# Altium PCB Enigma Rev A Back.PcbDoc (continued)
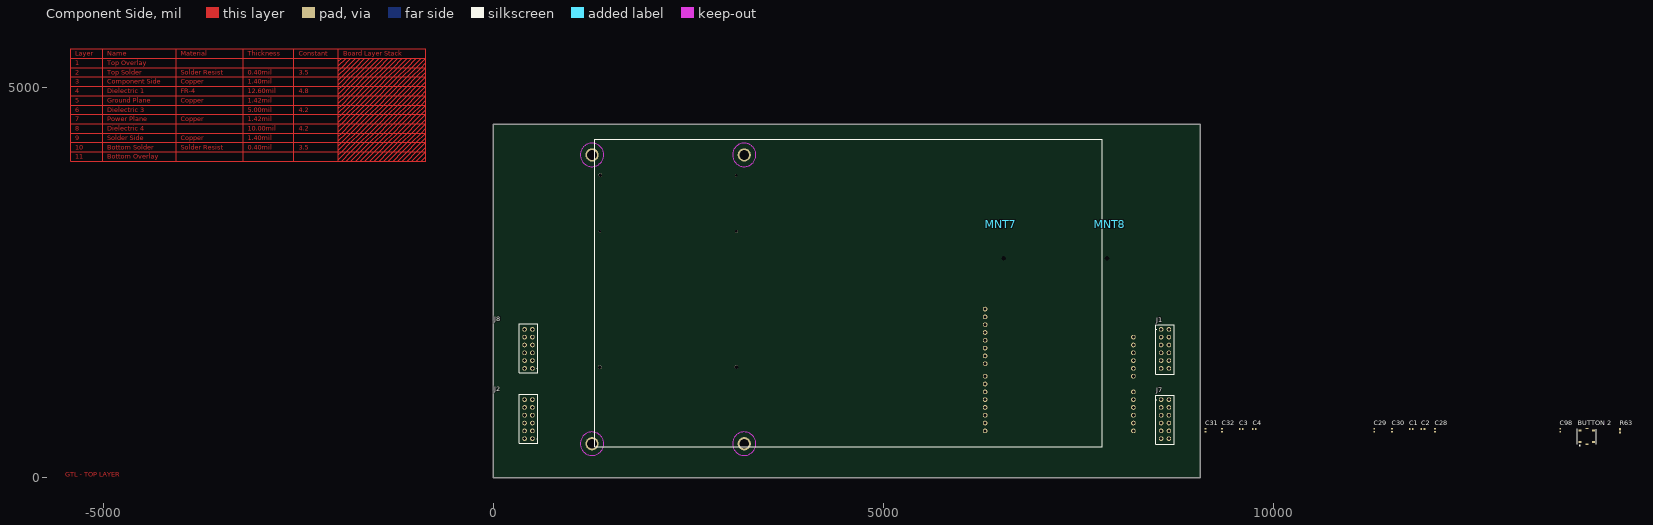
[diagram p0: Component Side view]
## Part data
"BUTTON 2": "SWITCH LT 1.5MM HT 160GF SMD", Contact Rating @ Voltage="0.02A @ 15VDC", Manufacturer="Panasonic - ECG", Manufacturer Part Number=EVQ-PLHA15, Operating Force=160gf, Supplier Part Number 1=P8046SCT-ND, Actuator Type=Standard, Category=Switches, Circuit=SPST-NO, ComponentLink1Description=http://industrial.panasonic.com/www-data/pdf/ATK0000/ATK0000CE3.pdf, ComponentLink1URL=http://industrial.panasonic.com/www-data/pdf/ATK0000/ATK0000CE3.pdf, Illumination=Non-Illuminated, Mounting Type="Surface Mount", Orientation=Vertical, Outline="4.90mm x 4.90mm", Packaging="Cut Tape (CT)", Pricing="1=0.53, 10=0.443, 100=0.3717, 500=0.3186, 1000=0.2655 (USD)", RoHS="RoHS Compliant", Stock 1=86833, Supplier 1=Digi-Key, Switch Function=Off-Mom
C1 C2 C3 C4 C28 C29 C30 C31 C32 C98: library part C_0402_0.1UF_16V, "CAP CER .10UF 16V X7R 0402", Capacitance=0.1µF, Manufacturer="TDK Corporation", Manufacturer Part Number=C1005X7R1C104K, Operating Temperature="-55°C ~ 125°C", Package / Case=0402, Supplier Part Number 1=445-4952-1-ND, Temperature Coefficient=X7R, Tolerance=±10%, Voltage - Rated=16V, Category=Capacitors, ComponentLink1Description=http://www.tdk.co.jp/tefe02/e412_c.pdf, ComponentLink1URL=http://www.tdk.co.jp/tefe02/e412_c.pdf, Features="General Purpose", Lead Spacing=-, Mounting Type="Surface Mount, MLCC", Packaging="Cut Tape (CT)", Pricing="10=0.024, 100=0.0143, 500=0.00826, 1000=0.00572 (USD)", RoHS="RoHS Compliant", Stock 1=230800, Supplier 1=Digi-Key, Thickness=0.50mm
J1 J2 J7 J8: library part J_PMOD, "CONN FEMALE 12POS DL .1\" R/A TIN", Color=Black, Manufacturer=Samtec, Manufacturer Part Number=SSW-106-02-T-D-RA, Category="Connectors, Interconnects", ComponentLink1Description=http://www.sullinscorp.com/drawings/101_xPxCxx2LJBN-RC,_10494-C.pdf, ComponentLink1URL=http://www.sullinscorp.com/drawings/101_xPxCxx2LJBN-RC,_10494-C.pdf, Connector Type=Header, Contact Finish=Tin, Contact Finish Thickness=-, Contact Type="Female Socket", Fastening Type=-, Features=-, Mounting Type="Through Hole, Right Angle", Number of Positions=12, Number of Positions Loaded=All, Number of Rows=2, Pitch="0.100\" (2.54mm)", Pricing=1=0.723, Row Spacing="0.100\" (2.54mm)", Stock 1=890, Supplier 1=Samtec, Supplier Part Number 1=SSW-106-02-T-D-RA, Termination=Solder
J3 J5: "CONN HEADER FEMALE 6POS .1\" TIN", Color=Black, Manufacturer=Samtec, Manufacturer Part Number=SSW-106-01-T-S, Category="Connectors, Interconnects", ComponentLink1Description=http://www.sullinscorp.com/drawings/101_xPxCxxxLFBN-RC,_10492-D.pdf, ComponentLink1URL=http://www.sullinscorp.com/drawings/101_xPxCxxxLFBN-RC,_10492-D.pdf, Connector Type=Header, Contact Finish=Tin, Contact Finish Thickness=-, Contact Type="Female Socket", Mounting Type="Through Hole", Number of Positions=6, Number of Positions Loaded=All, Number of Rows=1, Pitch="0.100\" (2.54mm)", Pricing=0.373, Supplier 1=Samtec, Supplier Part Number 1=SSW-106-01-T-S, Termination=Solder
J4 J6: library part J_HDR1X8_THRHOLE_VERT_FEMALE, "CONN HEADER FEMALE 8POS .1\" TIN", Color=Black, Manufacturer=Samtec, Manufacturer Part Number=SSW-108-01-T-S, Category="Connectors, Interconnects", ComponentLink1Description=http://www.sullinscorp.com/drawings/101_xPxCxxxLFBN-RC,_10492-D.pdf, ComponentLink1URL=http://www.sullinscorp.com/drawings/101_xPxCxxxLFBN-RC,_10492-D.pdf, Connector Type=Header, Contact Finish=Tin, Contact Finish Thickness=-, Contact Type="Female Socket", Fastening Type=-, Features=-, Mounting Type="Through Hole", Number of Positions=8, Number of Positions Loaded=All, Number of Rows=1, Pitch="0.100\" (2.54mm)", Pricing=1=0.497, RoHS="RoHS Compliant", Supplier 1=Samtec, Supplier Part Number 1=SSW-108-01-T-S, Termination=Solder
J9: "CONN HDR 120POS 0.5MM SMD", Manufacturer="Samtec Inc", Manufacturer Part Number=ERM5-060-04.0-L-DV-TR, Number of Positions=120, Pitch="0.020\" (0.50mm)"
MNT7 MNT8: library part MNT_440_HOLE
R63: "RES 10.0K OHM 1/16W 1% 0402 SMD", Case=0402, Manufacturer="Stackpole Electronics Inc", Manufacturer Part Number=RMCF0402FT10K0, Package / Case="0402 (1005 Metric)", Power (Watts)=1/16W, Resistance (Ohms)=10k, Resistance In Ohms=10.0K, Supplier Part Number 1=RMCF0402FT10K0CT-ND, Temperature Coefficient=±100ppm/°C, Tolerance=±1%, Category=Resistors, ComponentLink1Description=http://www.seielect.com/Catalog/SEI-RMCF_RMCP.pdf, ComponentLink1URL=http://www.seielect.com/Catalog/SEI-RMCF_RMCP.pdf, Composition="Thick Film", Features=-, Height="0.016\" (0.40mm)", Number of Terminations=2, Packaging="Cut Tape (CT)", Pricing="1=0.04, 10=0.025, 50=0.0138, 100=0.0105, 250=0.0078, 500=0.00576, 1000=0.00384, 2500=0.00324, 5000=0.0027 (USD)", RoHS="RoHS Compliant", Size / Dimension="0.039\" L x 0.020\" W (1.00mm x 0.50mm)", Stock 1=234525, Supplier 1=Digi-Key
SOM1: library part PicoZed_SOM, "PicoZed SOM Carrier Footprint"

## Nets (pads, with @x,y where several pads share a name; then routed paths per layer and width w, separated by ;. In a path a pad name is that pad's centre, name@x,y a point inside that pad or via, vN(x,y) a via of type N, cw(c..) or ccw(c..) an arc to the next point about the centre after c; other vN are vias at no path point)
CFG_SCL: J9.14
CFG_SDA: J9.16
CLK0_ESIG0_N: J9.23
CLK0_ESIG0_P: J9.21
CLK1_ESIG16_N: J9.71
CLK1_ESIG16_P: J9.69
ESIG1_N: J9.24
ESIG1_P: J9.22
ESIG2_N: J9.29
ESIG2_P: J9.27
ESIG3_N: J9.30
ESIG3_P: J9.28
ESIG4_N: J9.35
ESIG4_P: J9.33
ESIG5_N: J9.36
ESIG5_P: J9.34
ESIG6_N: J9.41
ESIG6_P: J9.39
ESIG7_N: J9.42
ESIG7_P: J9.40
ESIG8_N: J9.47
ESIG8_P: J9.45
ESIG9_N: J9.48
ESIG9_P: J9.46
ESIG10_N: J9.53
ESIG10_P: J9.51
ESIG11_N: J9.54
ESIG11_P: J9.52
ESIG12_N: J9.59
ESIG12_P: J9.57
ESIG13_N: J9.60
ESIG13_P: J9.58
ESIG14_N: J9.65
ESIG14_P: J9.63
ESIG15_N: J9.66
ESIG15_P: J9.64
ESIG17_N: J9.72
ESIG17_P: J9.70
ESIG18_N: J9.77
ESIG18_P: J9.75
ESIG19_N: J9.78
ESIG19_P: J9.76
ESIG20_N: J9.83
ESIG20_P: J9.81
ESIG21_N: J9.84
ESIG21_P: J9.82
ESIG22_N: J9.89
ESIG22_P: J9.87
ESIG23_N: J9.90
ESIG23_P: J9.88
ESIG24_N: J9.95
ESIG24_P: J9.93
ESIG25_N: J9.96
ESIG25_P: J9.94
EXT_SERDES_CLK0_N: J9.117
EXT_SERDES_CLK0_P: J9.115
EXT_SERDES_CLK1_N: J9.118
EXT_SERDES_CLK1_P: J9.116
EXT_SERDES_RX0_N: J9.111
EXT_SERDES_RX0_P: J9.109
EXT_SERDES_RX1_N: J9.112
EXT_SERDES_RX1_P: J9.110
EXT_SERDES_TX0_N: J9.105
EXT_SERDES_TX0_P: J9.103
EXT_SERDES_TX1_N: J9.106
EXT_SERDES_TX1_P: J9.104
GND: "BUTTON 2.3" "BUTTON 2.4" "BUTTON 2.5" "BUTTON 2.6" C1.1 C2.1 C3.1 C4.1 C28.1 C29.1 C30.1 C31.1 C32.1 C98.1 J1.5 J1.11 J2.5 J2.11 J3.2 J3.3 J4.7 J7.5 J7.11 J8.5 J8.11 J9.2 J9.4 J9.6 J9.8 J9.10 J9.12 J9.19 J9.20 J9.25 J9.26 J9.31 J9.32 J9.37 J9.38 J9.43 J9.44 J9.49 J9.50 J9.55 J9.56 J9.61 J9.62 J9.67 J9.68 J9.73 J9.74 J9.79 J9.80 J9.85 J9.86 J9.91 J9.92 J9.97 J9.98 J9.99 J9.100 J9.101 J9.102 J9.107 J9.108 J9.113 J9.114 J9.119 J9.120
NetJ9_17: J9.17
PMODA1: J1.1
PMODA2: J1.2
PMODA3: J1.3
PMODA4: J1.4
PMODA7: J1.7
PMODA8: J1.8
PMODA9: J1.9
PMODA10: J1.10
PMODB1: J7.1
PMODB2: J7.2
PMODB3: J7.3
PMODB4: J7.4
PMODB7: J7.7
PMODB8: J7.8
PMODB9: J7.9
PMODB10: J7.10
PMODC1: J2.1
PMODC2: J2.2
PMODC3: J2.3
PMODC4: J2.4
PMODC7: J2.7
PMODC8: J2.8
PMODC9: J2.9
PMODC10: J2.10
PMODD1: J8.1
PMODD2: J8.2
PMODD3: J8.3
PMODD4: J8.4
PMODD7: J8.7
PMODD8: J8.8
PMODD9: J8.9
PMODD10: J8.10
S0: J6.1
S1: J6.2
S2: J6.3
S3: J6.4
S4: J6.5
S5: J6.6
S6: J6.7
S7: J6.8
S8: J4.1
S9: J4.2
S10: J4.3
S11: J4.4
S12: J4.5
S13: J4.6
S14: J5.1
S15: J5.2
S16: J5.3
S17: J5.4
S18: J5.5
S19: J5.6
SOFT_RST: "BUTTON 2.1" C98.2 J3.6 R63.1
V3P3: C1.2 C2.2 C3.2 C4.2 C28.2 C29.2 C30.2 C31.2 C32.2 J1.6 J1.12 J2.6 J2.12 J3.5 J4.8 J7.6 J7.12 J8.6 J8.12 J9.18 R63.2
V5P0: J3.4 J9.1 J9.3 J9.5 J9.7
VEBANK: J9.9 J9.11 J9.13 J9.15
pads on no net: "BUTTON 2.2" J3.1 J9.M MNT7.MOUNT MNT8.MOUNT SOM1.0 SOM1.JX1-1 SOM1.JX1-2 SOM1.JX1-3 SOM1.JX1-4 SOM1.JX1-5 SOM1.JX1-6 SOM1.JX1-7 SOM1.JX1-8 SOM1.JX1-9 SOM1.JX1-10 SOM1.JX1-11 SOM1.JX1-12 SOM1.JX1-13 SOM1.JX1-14 SOM1.JX1-15 SOM1.JX1-16 SOM1.JX1-17 SOM1.JX1-18 SOM1.JX1-19 SOM1.JX1-20 SOM1.JX1-21 SOM1.JX1-22 SOM1.JX1-23 SOM1.JX1-24 SOM1.JX1-25 SOM1.JX1-26 SOM1.JX1-27 SOM1.JX1-28 SOM1.JX1-29 SOM1.JX1-30 SOM1.JX1-31 SOM1.JX1-32 SOM1.JX1-33 SOM1.JX1-34 SOM1.JX1-35 SOM1.JX1-36 SOM1.JX1-37 SOM1.JX1-38 SOM1.JX1-39 SOM1.JX1-40 SOM1.JX1-41 SOM1.JX1-42 SOM1.JX1-43 SOM1.JX1-44 SOM1.JX1-45 SOM1.JX1-46 SOM1.JX1-47 SOM1.JX1-48 SOM1.JX1-49 SOM1.JX1-50 SOM1.JX1-51 SOM1.JX1-52 SOM1.JX1-53 SOM1.JX1-54 SOM1.JX1-55 SOM1.JX1-56 SOM1.JX1-57 SOM1.JX1-58 SOM1.JX1-59 SOM1.JX1-60 SOM1.JX1-61 SOM1.JX1-62 SOM1.JX1-63 SOM1.JX1-64 SOM1.JX1-65 SOM1.JX1-66 SOM1.JX1-67 SOM1.JX1-68 SOM1.JX1-69 SOM1.JX1-70 SOM1.JX1-71 SOM1.JX1-72 SOM1.JX1-73 SOM1.JX1-74 SOM1.JX1-75 SOM1.JX1-76 SOM1.JX1-77 SOM1.JX1-78 SOM1.JX1-79 SOM1.JX1-80 SOM1.JX1-81 SOM1.JX1-82 SOM1.JX1-83 SOM1.JX1-84 SOM1.JX1-85 SOM1.JX1-86 SOM1.JX1-87 SOM1.JX1-88 SOM1.JX1-89 SOM1.JX1-90 SOM1.JX1-91 SOM1.JX1-92 SOM1.JX1-93 SOM1.JX1-94 SOM1.JX1-95 SOM1.JX1-96 SOM1.JX1-97 SOM1.JX1-98 SOM1.JX1-99 SOM1.JX1-100 SOM1.JX2-1 SOM1.JX2-2 SOM1.JX2-3 SOM1.JX2-4 SOM1.JX2-5 SOM1.JX2-6 SOM1.JX2-7 SOM1.JX2-8 SOM1.JX2-9 SOM1.JX2-10 SOM1.JX2-11 SOM1.JX2-12 SOM1.JX2-13 SOM1.JX2-14 SOM1.JX2-15 SOM1.JX2-16 SOM1.JX2-17 SOM1.JX2-18 SOM1.JX2-19 SOM1.JX2-20 SOM1.JX2-21 SOM1.JX2-22 SOM1.JX2-23 SOM1.JX2-24 SOM1.JX2-25 SOM1.JX2-26 SOM1.JX2-27 SOM1.JX2-28 SOM1.JX2-29 SOM1.JX2-30 SOM1.JX2-31 SOM1.JX2-32 SOM1.JX2-33 SOM1.JX2-34 SOM1.JX2-35 SOM1.JX2-36 SOM1.JX2-37 SOM1.JX2-38 SOM1.JX2-39 SOM1.JX2-40 SOM1.JX2-41 SOM1.JX2-42 SOM1.JX2-43 SOM1.JX2-44 SOM1.JX2-45 SOM1.JX2-46 SOM1.JX2-47 SOM1.JX2-48 SOM1.JX2-49 SOM1.JX2-50 SOM1.JX2-51 SOM1.JX2-52 SOM1.JX2-53 SOM1.JX2-54 SOM1.JX2-55 SOM1.JX2-56 SOM1.JX2-57 SOM1.JX2-58 SOM1.JX2-59 SOM1.JX2-60 SOM1.JX2-61 SOM1.JX2-62 SOM1.JX2-63 SOM1.JX2-64 SOM1.JX2-65 SOM1.JX2-66 SOM1.JX2-67 SOM1.JX2-68 SOM1.JX2-69 SOM1.JX2-70 SOM1.JX2-71 SOM1.JX2-72 SOM1.JX2-73 SOM1.JX2-74 SOM1.JX2-75 SOM1.JX2-76 SOM1.JX2-77 SOM1.JX2-78 SOM1.JX2-79 SOM1.JX2-80 SOM1.JX2-81 SOM1.JX2-82 SOM1.JX2-83 SOM1.JX2-84 SOM1.JX2-85 SOM1.JX2-86 SOM1.JX2-87 SOM1.JX2-88 SOM1.JX2-89 SOM1.JX2-90 SOM1.JX2-91 SOM1.JX2-92 SOM1.JX2-93 SOM1.JX2-94 SOM1.JX2-95 SOM1.JX2-96 SOM1.JX2-97 SOM1.JX2-98 SOM1.JX2-99 SOM1.JX2-100 SOM1.JX3-1 SOM1.JX3-2 SOM1.JX3-3 SOM1.JX3-4 SOM1.JX3-5 SOM1.JX3-6 SOM1.JX3-7 SOM1.JX3-8 SOM1.JX3-9 SOM1.JX3-10 SOM1.JX3-11 SOM1.JX3-12 SOM1.JX3-13 SOM1.JX3-14 SOM1.JX3-15 SOM1.JX3-16 SOM1.JX3-17 SOM1.JX3-18 SOM1.JX3-19 SOM1.JX3-20 SOM1.JX3-21 SOM1.JX3-22 SOM1.JX3-23 SOM1.JX3-24 SOM1.JX3-25 SOM1.JX3-26 SOM1.JX3-27 SOM1.JX3-28 SOM1.JX3-29 SOM1.JX3-30 SOM1.JX3-31 SOM1.JX3-32 SOM1.JX3-33 SOM1.JX3-34 SOM1.JX3-35 SOM1.JX3-36 SOM1.JX3-37 SOM1.JX3-38 SOM1.JX3-39 SOM1.JX3-40 SOM1.JX3-41 SOM1.JX3-42 SOM1.JX3-43 SOM1.JX3-44 SOM1.JX3-45 SOM1.JX3-46 SOM1.JX3-47 SOM1.JX3-48 SOM1.JX3-49 SOM1.JX3-50 SOM1.JX3-51 SOM1.JX3-52 SOM1.JX3-53 SOM1.JX3-54 SOM1.JX3-55 SOM1.JX3-56 SOM1.JX3-57 SOM1.JX3-58 SOM1.JX3-59 SOM1.JX3-60 SOM1.JX3-61 SOM1.JX3-62 SOM1.JX3-63 SOM1.JX3-64 SOM1.JX3-65 SOM1.JX3-66 SOM1.JX3-67 SOM1.JX3-68 SOM1.JX3-69 SOM1.JX3-70 SOM1.JX3-71 SOM1.JX3-72 SOM1.JX3-73 SOM1.JX3-74 SOM1.JX3-75 SOM1.JX3-76 SOM1.JX3-77 SOM1.JX3-78 SOM1.JX3-79 SOM1.JX3-80 SOM1.JX3-81 SOM1.JX3-82 SOM1.JX3-83 SOM1.JX3-84 SOM1.JX3-85 SOM1.JX3-86 SOM1.JX3-87 SOM1.JX3-88 SOM1.JX3-89 SOM1.JX3-90 SOM1.JX3-91 SOM1.JX3-92 SOM1.JX3-93 SOM1.JX3-94 SOM1.JX3-95 SOM1.JX3-96 SOM1.JX3-97 SOM1.JX3-98 SOM1.JX3-99 SOM1.JX3-100
copper on no net: | length 104050.8
  Component Side w1: -1985,4075 -1885.32,4174.68 -1765.32,4294.68 -1645.32,4414.68 -1525.32,4534.68 -1405.32,4654.68 -1285.32,4774.68 -1165.32,4894.68 -1045.32,5014.68 -925.32,5134.68 -865.32,5194.68 ; -1985,4135 -1945.32,4174.68 -1825.32,4294.68 -1705.32,4414.68 -1585.32,4534.68 -1465.32,4654.68 -1345.32,4774.68 -1225.32,4894.68 -1105.32,5014.68 -985.32,5134.68 -865.32,5254.68 ; -1985,4195 -1885.32,4294.68 -1765.32,4414.68 -1645.32,4534.68 -1525.32,4654.68 -1405.32,4774.68 -1285.32,4894.68 -1165.32,5014.68 -1045.32,5134.68 -925.32,5254.68 -865.32,5314.68 ; -1985,4255 -1945.32,4294.68 -1825.32,4414.68 -1705.32,4534.68 -1585.32,4654.68 -1465.32,4774.68 -1345.32,4894.68 -1225.32,5014.68 -1105.32,5134.68 -985.32,5254.68 -865.32,5374.68 ; -1985,4315 -1885.32,4414.68 -1765.32,4534.68 -1645.32,4654.68 -1525.32,4774.68 -1405.32,4894.68 -1285.32,5014.68 -1165.32,5134.68 -1045.32,5254.68 -925.32,5374.68 ; -1985,4375 -1945.32,4414.68 -1825.32,4534.68 -1705.32,4654.68 -1585.32,4774.68 -1465.32,4894.68 -1345.32,5014.68 -1225.32,5134.68 -1105.32,5254.68 -985.32,5374.68 ; -1985,4435 -1885.32,4534.68 -1765.32,4654.68 -1645.32,4774.68 -1525.32,4894.68 -1405.32,5014.68 -1285.32,5134.68 -1165.32,5254.68 -1045.32,5374.68 ; -1985,4495 -1945.32,4534.68 -1825.32,4654.68 -1705.32,4774.68 -1585.32,4894.68 -1465.32,5014.68 -1345.32,5134.68 -1225.32,5254.68 -1105.32,5374.68 ; -1985,4555 -1885.32,4654.68 -1765.32,4774.68 -1645.32,4894.68 -1525.32,5014.68 -1405.32,5134.68 -1285.32,5254.68 -1165.32,5374.68 ; -1985,4615 -1945.32,4654.68 -1825.32,4774.68 -1705.32,4894.68 -1585.32,5014.68 -1465.32,5134.68 -1345.32,5254.68 -1225.32,5374.68 ; -1985,4675 -1885.32,4774.68 -1765.32,4894.68 -1645.32,5014.68 -1525.32,5134.68 -1405.32,5254.68 -1285.32,5374.68 ; -1985,4735 -1945.32,4774.68 -1825.32,4894.68 -1705.32,5014.68 -1585.32,5134.68 -1465.32,5254.68 -1345.32,5374.68 ; -1985,4795 -1885.32,4894.68 -1765.32,5014.68 -1645.32,5134.68 -1525.32,5254.68 -1405.32,5374.68 ; -1985,4855 -1945.32,4894.68 -1825.32,5014.68 -1705.32,5134.68 -1585.32,5254.68 -1465.32,5374.68 ; -1985,4915 -1885.32,5014.68 -1765.32,5134.68 -1645.32,5254.68 -1525.32,5374.68 ; -1985,4975 -1945.32,5014.68 -1825.32,5134.68 -1705.32,5254.68 -1585.32,5374.68 ; -1985,5035 -1885.32,5134.68 -1765.32,5254.68 -1645.32,5374.68 ; -1985,5095 -1945.32,5134.68 -1825.32,5254.68 -1705.32,5374.68 ; -1985,5155 -1885.32,5254.68 -1765.32,5374.68 ; -1985,5215 -1945.32,5254.68 -1825.32,5374.68 ; -1985,5275 -1885.32,5374.68 ; -1985,5335 -1945.32,5374.68 ; -1945.32,4054.68 -1825.32,4174.68 -1705.32,4294.68 -1585.32,4414.68 -1465.32,4534.68 -1345.32,4654.68 -1225.32,4774.68 -1105.32,4894.68 -985.32,5014.68 -865.32,5134.68 ; -1885.32,4054.68 -1765.32,4174.68 -1645.32,4294.68 -1525.32,4414.68 -1405.32,4534.68 -1285.32,4654.68 -1165.32,4774.68 -1045.32,4894.68 -925.32,5014.68 -865.32,5074.68 ; -1825.32,4054.68 -1705.32,4174.68 -1585.32,4294.68 -1465.32,4414.68 -1345.32,4534.68 -1225.32,4654.68 -1105.32,4774.68 -985.32,4894.68 -865.32,5014.68 ; -1765.32,4054.68 -1645.32,4174.68 -1525.32,4294.68 -1405.32,4414.68 -1285.32,4534.68 -1165.32,4654.68 -1045.32,4774.68 -925.32,4894.68 -865.32,4954.68 ; -1705.32,4054.68 -1585.32,4174.68 -1465.32,4294.68 -1345.32,4414.68 -1225.32,4534.68 -1105.32,4654.68 -985.32,4774.68 -865.32,4894.68 ; -1645.32,4054.68 -1525.32,4174.68 -1405.32,4294.68 -1285.32,4414.68 -1165.32,4534.68 -1045.32,4654.68 -925.32,4774.68 -865.32,4834.68 ; -1585.32,4054.68 -1465.32,4174.68 -1345.32,4294.68 -1225.32,4414.68 -1105.32,4534.68 -985.32,4654.68 -865.32,4774.68 ; -1525.32,4054.68 -1405.32,4174.68 -1285.32,4294.68 -1165.32,4414.68 -1045.32,4534.68 -925.32,4654.68 -865.32,4714.68 ; -1465.32,4054.68 -1345.32,4174.68 -1225.32,4294.68 -1105.32,4414.68 -985.32,4534.68 -865.32,4654.68 ; -1405.32,4054.68 -1285.32,4174.68 -1165.32,4294.68 -1045.32,4414.68 -925.32,4534.68 -865.32,4594.68 ; -1345.32,4054.68 -1225.32,4174.68 -1105.32,4294.68 -985.32,4414.68 -865.32,4534.68 ; -1285.32,4054.68 -1165.32,4174.68 -1045.32,4294.68 -925.32,4414.68 -865.32,4474.68 ; -1225.32,4054.68 -1105.32,4174.68 -985.32,4294.68 -865.32,4414.68 ; -1165.32,4054.68 -1045.32,4174.68 -925.32,4294.68 -865.32,4354.68 ; -1105.32,4054.68 -985.32,4174.68 -865.32,4294.68 ; -1045.32,4054.68 -925.32,4174.68 -865.32,4234.68 ; -985.32,4054.68 -865.32,4174.68 ; -925.32,4054.68 -865.32,4114.68
  Component Side w15: -5414.12,4174.68 -5004.2,4174.68 -4064.46,4174.68 -3204.7,4174.68 -2554.86,4174.68 -1985,4174.68 -865.32,4174.68 ; -5414.12,4294.68 -5004.2,4294.68 -4064.46,4294.68 -3204.7,4294.68 -2554.86,4294.68 -1985,4294.68 -865.32,4294.68 ; -5414.12,4414.68 -5004.2,4414.68 -4064.46,4414.68 -3204.7,4414.68 -2554.86,4414.68 -1985,4414.68 -865.32,4414.68 ; -5414.12,4534.68 -5004.2,4534.68 -4064.46,4534.68 -3204.7,4534.68 -2554.86,4534.68 -1985,4534.68 -865.32,4534.68 ; -5414.12,4654.68 -5004.2,4654.68 -4064.46,4654.68 -3204.7,4654.68 -2554.86,4654.68 -1985,4654.68 -865.32,4654.68 ; -5414.12,4774.68 -5004.2,4774.68 -4064.46,4774.68 -3204.7,4774.68 -2554.86,4774.68 -1985,4774.68 -865.32,4774.68 ; -5414.12,4894.68 -5004.2,4894.68 -4064.46,4894.68 -3204.7,4894.68 -2554.86,4894.68 -1985,4894.68 -865.32,4894.68 ; -5414.12,5014.68 -5004.2,5014.68 -4064.46,5014.68 -3204.7,5014.68 -2554.86,5014.68 -1985,5014.68 -865.32,5014.68 ; -5414.12,5134.68 -5004.2,5134.68 -4064.46,5134.68 -3204.7,5134.68 -2554.86,5134.68 -1985,5134.68 -865.32,5134.68 ; -5414.12,5254.68 -5004.2,5254.68 -4064.46,5254.68 -3204.7,5254.68 -2554.86,5254.68 -1985,5254.68 -865.32,5254.68 ; -5414.12,5374.68 -865.32,5374.68 ; -5004.2,5494.68 -5004.2,4054.68 ; -4064.46,5494.68 -4064.46,4054.68 ; -3204.7,5494.68 -3204.7,4054.68 ; -2554.86,5494.68 -2554.86,4054.68 ; -1985,5494.68 -1985,4054.68 ; -5004.2,4054.68 -5414.12,4054.68 -5414.12,5494.68 -865.32,5494.68 -865.32,4054.68 -1985,4054.68 ; -5004.2,4054.68 -4064.46,4054.68 ; -4064.46,4054.68 -3204.7,4054.68 ; -3204.7,4054.68 -2554.86,4054.68 ; -2554.86,4054.68 -1985,4054.68

## Polygon pours and split planes (outlines as drawn)
no net on Ground Plane (split plane): 9035.02,4507.46 9035.02,20.1 20.1,20.1 20.1,4507.46
no net on Power Plane (split plane): 9035.02,4507.46 9035.02,20.1 20.1,20.1 20.1,4507.46

## Other copper
Component Side:
  text "Layer" at -5354.12,5404.68 h60
  text "Name" at -4944.2,5404.68 h60
  text "Material" at -4004.46,5404.68 h60
  text "Thickness" at -3144.7,5404.68 h60
  text "Constant" at -2494.86,5404.68 h60
  text "Board Layer Stack" at -1925,5404.68 h60
  text "1" at -5354.12,5284.68 h60
  text "Top Overlay" at -4944.2,5284.68 h60
  text "2" at -5354.12,5164.68 h60
  text "Top Solder" at -4944.2,5164.68 h60
  text "Solder Resist" at -4004.46,5164.68 h60
  text "0.40mil" at -3144.7,5164.68 h60
  text "3.5" at -2494.86,5164.68 h60
  text "3" at -5354.12,5044.68 h60
  text "Component Side" at -4944.2,5044.68 h60
  text "Copper" at -4004.46,5044.68 h60
  text "1.40mil" at -3144.7,5044.68 h60
  text "4" at -5354.12,4924.68 h60
  text "Dielectric 1" at -4944.2,4924.68 h60
  text "FR-4" at -4004.46,4924.68 h60
  text "12.60mil" at -3144.7,4924.68 h60
  text "4.8" at -2494.86,4924.68 h60
  text "5" at -5354.12,4804.68 h60
  text "Ground Plane" at -4944.2,4804.68 h60
  text "Copper" at -4004.46,4804.68 h60
  text "1.42mil" at -3144.7,4804.68 h60
  text "6" at -5354.12,4684.68 h60
  text "Dielectric 3" at -4944.2,4684.68 h60
  text "5.00mil" at -3144.7,4684.68 h60
  text "4.2" at -2494.86,4684.68 h60
  text "7" at -5354.12,4564.68 h60
  text "Power Plane" at -4944.2,4564.68 h60
  text "Copper" at -4004.46,4564.68 h60
  text "1.42mil" at -3144.7,4564.68 h60
  text "8" at -5354.12,4444.68 h60
  text "Dielectric 4" at -4944.2,4444.68 h60
  text "10.00mil" at -3144.7,4444.68 h60
  text "4.2" at -2494.86,4444.68 h60
  text "9" at -5354.12,4324.68 h60
  text "Solder Side" at -4944.2,4324.68 h60
  text "Copper" at -4004.46,4324.68 h60
  text "1.40mil" at -3144.7,4324.68 h60
  text "10" at -5354.12,4204.68 h60
  text "Bottom Solder" at -4944.2,4204.68 h60
  text "Solder Resist" at -4004.46,4204.68 h60
  text "0.40mil" at -3144.7,4204.68 h60
  text "3.5" at -2494.86,4204.68 h60
  text "11" at -5354.12,4084.68 h60
  text "Bottom Overlay" at -4944.2,4084.68 h60
  text "GTL - TOP LAYER" at -5484.25,10.23 h60
Solder Side:
  text "GBL - BOTTOM LAYER" at -5484.25,-796.85 h60
Ground Plane (plane layer: these items are gaps in the copper):
  text "GP1 - GROUND PLANE 1" at -5470,-281 h60
Power Plane (plane layer: these items are gaps in the copper):
  text "GP2 - POWER PLANE 1" at -5484.25,-383.47 h60
Multi-Layer:
  text "MULTI-LAYER HOLES" at -2781,-1589 h60

## Silkscreen, mask and mechanical layers (free items; w line width, h text height)
Top Overlay:
  lines w10: 1299.21,393.7 1299.21,4338.58 7803.15,4338.58 7803.15,393.7 1299.21,393.7
Mechanical 2:
  circle w6: c-4500,6500 r300
  circle w6: c-4500,6500 r200
  circle w6: c-4500,6500 r100
  circle w6: c11000,7000 r300
  circle w6: c11000,7000 r200
  circle w6: c11000,7000 r100
  circle w6: c11000,0 r300
  circle w6: c11000,0 r200
  circle w6: c11000,0 r100
  lines w4: -5000,6500 -4500,6500 ; -4500,6000 -4500,6500 ; -4500,7000 -4500,6500 ; -4000,6500 -4500,6500 ; 10500,0 11000,0 ; 10500,7000 11000,7000 ; 11000,-500 11000,0 ; 11000,500 11000,0 ; 11000,6500 11000,7000 ; 11000,7500 11000,7000 ; 11500,0 11000,0 ; 11500,7000 11000,7000
  text "02 PCB BOUNDRY" at -2781,110 h60
Mechanical 3:
  text "03" at -2781,10 h60
Mechanical 4:
  text "04" at -2781,-90 h60
Mechanical 5:
  text "05" at -2781,-190 h60
Mechanical 6:
  lines w20: -5550.12,2417.09 -1819.8,2417.09
  text "FAB NOTES: UNLESS OTHERWISE SPECIFIED" at -5550.12,2446.61 h60
  text "1) MATERIAL: GLASS EPOXY FR-4, UL 94V-0" at -5552.96,2305.27 h60
  text "2) FINISH - ENIG" at -5552.96,2165.79 h60
  text "3) HOLE DIAMETERS APPLY AFTER PLATING" at -5552,2046.3 h60
  text "4) SILKSREEN: WHITE EPOXY - BOTH SIDES" at -5542.96,1926.8 h60
  text "5) LAYER TO LAYER REGISTRATION: TO BE WITHIN +/- 0.003" at -5542.96,1807.31 h60
  text "6) ALL HOLES TO BE LOCATED WITHIN +/- 0.003 TRUE POSITION" at -5542.96,1687.82 h60
  text "7) TOLERANCES: .XX = +/- 0.02, .XXX = +/- 0.005" at -5542.96,1588.32 h60
  text "8) ALL DIMENSIONS IN INCHES" at -5542.96,1448.84 h60
  text "9) MIN TRACE WIDTH: 6MIL" at -5542.96,1329.35 h60
  text "10) MIN CLEARANCE: 6MIL" at -5542.96,1209.86 h60
  text "11) PLATE EDGE CONNECTORS PER IPC-6012 LATEST REVISION" at -5542.96,1090.36 h60
  text "12) OVERALL BOARD HEIGHT: 62MILS" at -5542.96,970.87 h60
  text "15.) 20MIL PULLBACK ON INNER PLANES" at -5542.96,851.38 h60
  text "06 FABRICATION NOTES" at -2781,-290 h60
Mechanical 8:
  text "08" at -2781,-490 h60
Mechanical 9:
  text "09" at -2781,-590 h60
Mechanical 10:
  text "10" at -2781,-690 h60
Mechanical 11:
  text "11 DESIGN INFORMATION" at -2781,-790 h60
Mechanical 14:
  text "14" at -2781,-1090 h60
Mechanical 16:
  lines w2: -6000,500 -5700,500 ; -6000,3000 -5700,3000 ; -6000,5500 -5700,5500 ; -3350,-2000 -3350,-1700 ; -3350,7700 -3350,8000 ; -675,-2000 -675,-1700 ; -675,7700 -675,8000 ; 2000,-2000 2000,-1700 ; 2000,7700 2000,8000 ; 4500,-1700 4500,-1250 4850,-1250 ; 4675,-2000 4675,-1700 ; 4675,7700 4675,8000 ; 4850,-1700 4850,-550 5750,-550 ; 4850,-1450 9700,-1450 ; 4850,-1150 9700,-1150 ; 4850,-850 5750,-850 ; 5750,-1700 5750,-550 ; 7325,-2000 7325,-1700 ; 7750,-1450 7750,-1150 ; 8800,-1450 8800,-1150 ; 9700,-550 5750,-550 ; 9700,500 10000,500 ; 9700,5500 10000,5500 ; -6000,-2000 10000,-2000 10000,8000 -6000,8000 -6000,-2000 ; -5700,-1700 9700,-1700 9700,7700 -5700,7700 -5700,-1700
  text "1" at -4725,7800 h90
  text "2" at -2050,7800 h90
  text "3" at 650,7800 h90
  text "4" at 3300,7800 h90
  text "5" at 5980,7800 h90
  text "D" at 9825,6750 h90
  text "D" at -5870,6725 h90
  text "C" at -5875,4225 h90
  text "B" at 9825,1750 h90
  text "B" at -5875,1725 h90
  text ".DrawnBy" at 4925,-675 h90
  text ".Company" at 5811.22,-684.37 h90
  text "A" at 9825,-750 h90
  text "A" at -5870,-825 h90
  text ".Engineer" at 4925,-975 h90
  text ".Project" at 5825,-1270 h90
  text ".Print_Date" at 7860,-1270 h90
  text ".Print_Date" at 4925,-1275 h90
  text ".Revision" at 8845,-1275 h90
  text "16 SHEET" at -2781,-1290 h60
  text "B" at 4610,-1505 h180
  text "1:1" at 4930,-1575 h90
  text ".Pcb_File_Name_No_Path" at 5820,-1575 h90
  text "1" at 9380.91,-1620.08 h90
  text "of" at 9225,-1625 h90
  text "Sheet" at 8525,-1630 h90
  text "1" at 8911.42,-1629.92 h90
  text "Size" at 4550,-1650 h90
  text "1" at -4725,-1900 h90
  text "2" at -2050,-1900 h90
  text "3" at 650,-1900 h90
  text "4" at 3300,-1900 h90
  text "5" at 5975,-1900 h90
  text "6" at 8650,-1900 h90
Drill Drawing:
  circle w10: c3487.25,6468.33 r33.33
  lines w10: 3453.92,6001.67 3470.58,6001.67 3487.25,5985 3503.92,6001.67 3520.58,6001.67 3503.92,6018.33 3520.58,6035 3503.92,6035 3487.25,6051.67 3470.58,6035 3453.92,6035 3470.58,6018.33 3453.92,6001.67 ; 3453.92,6201.67 3520.58,6201.67 3487.25,6135 3453.92,6201.67 ; 3453.92,6285 3520.58,6285 3520.58,6351.67 3453.92,6351.67 3453.92,6285 ; 3453.92,6601.67 3470.58,6601.67 3470.58,6585 3503.92,6585 3503.92,6601.67 3520.58,6601.67 3520.58,6635 3503.92,6635 3503.92,6651.67 3470.58,6651.67 3470.58,6635 3453.92,6635 3453.92,6601.67 ; 3453.92,6735 3487.25,6751.67 3520.58,6735 3503.92,6768.33 3520.58,6801.67 3487.25,6785 3453.92,6801.67 3470.58,6768.33 3453.92,6735
  lines w15: 3394.12,5940 7273.1,5940 ; 3394.12,6840 7273.1,6840 ; 3945,5790 3945,6990 ; 4642.81,5790 4642.81,6990 ; 5988.42,5790 5988.42,6990 ; 6494.29,5790 6494.29,6990 ; 3394.12,5790 7273.1,5790 7273.1,6990 3394.12,6990 3394.12,5790
  text "Symbol" at 3484.12,6885 h72
  text "Hit Count" at 3990,6885 h72
  text "Finished Hole Size" at 4687.81,6885 h72
  text "Plated" at 6033.42,6885 h72
  text "Hole Type" at 6539.29,6885 h72
  text "2" at 3990,6735 h60
  text "59.06mil (1.500mm)" at 4687.81,6735 h60
  text "NPTH" at 6033.42,6735 h60
  text "Round" at 6539.29,6735 h60
  text "2" at 3990,6585 h60
  text "125.00mil (3.175mm)" at 4687.81,6585 h60
  text "NPTH" at 6033.42,6585 h60
  text "Round" at 6539.29,6585 h60
  text "3" at 3990,6435 h60
  text "32.01mil (0.813mm)" at 4687.81,6435 h60
  text "NPTH" at 6033.42,6435 h60
  text "Round" at 6539.29,6435 h60
  text "3" at 3990,6285 h60
  text "47.99mil (1.219mm)" at 4687.81,6285 h60
  text "NPTH" at 6033.42,6285 h60
  text "Round" at 6539.29,6285 h60
  text "4" at 3990,6135 h60
  text "125.00mil (3.175mm)" at 4687.81,6135 h60
  text "PTH" at 6033.42,6135 h60
  text "Round" at 6539.29,6135 h60
  text "76" at 3990,5985 h60
  text "40.00mil (1.016mm)" at 4687.81,5985 h60
  text "PTH" at 6033.42,5985 h60
  text "Round" at 6539.29,5985 h60
  text "90 Total" at 3990,5835 h60

## Text inside footprints (layer, text, board x,y; h text height)
SOM1: Bottom Overlay "TM" at 1812.89,2325.81 h15; Bottom Overlay "JX1" at 1436.89,3218.31 h60; Bottom Overlay "JX2" at 3193.89,3222.31 h60; Bottom Overlay "50" at 3302.4,2326.73 h30 r90; Bottom Overlay "76" at 3302.4,1916.73 h30 r90; Bottom Overlay "75" at 2957.4,1916.73 h30 r90; Bottom Overlay "51" at 2952.4,2291.73 h30 r90; Bottom Overlay "26" at 3292.4,2706.73 h30 r90; Bottom Overlay "25" at 2952.4,2706.73 h30 r90; Bottom Overlay "1" at 2980.37,3087.31 h40 r90; Bottom Overlay "2" at 3283.37,3106.31 h40 r90; Bottom Overlay "99" at 2977.4,1486.73 h40 r90; Bottom Overlay "100" at 3292.4,1486.73 h40 r90; Bottom Overlay "100" at 1542.4,1486.73 h40 r90; Bottom Overlay "99" at 1227.4,1486.73 h40 r90; Bottom Overlay "2" at 1533.37,3106.31 h40 r90; Bottom Overlay "1" at 1230.37,3087.31 h40 r90; Bottom Overlay "25" at 1202.4,2706.73 h30 r90; Bottom Overlay "26" at 1542.4,2706.73 h30 r90; Bottom Overlay "51" at 1202.4,2291.73 h30 r90; Bottom Overlay "75" at 1207.4,1916.73 h30 r90; Bottom Overlay "76" at 1552.4,1916.73 h30 r90; Bottom Overlay "50" at 1552.4,2326.73 h30 r90; Bottom Overlay "50" at 2280.3,3686.3 h30; Bottom Overlay "76" at 1870.3,3686.3 h30; Bottom Overlay "75" at 1870.3,4031.3 h30; Bottom Overlay "51" at 2252.3,4036.3 h30; Bottom Overlay "26" at 2660.3,3696.3 h30; Bottom Overlay "25" at 2667.3,4036.3 h30; Bottom Overlay "1" at 3040.89,4008.33 h40; Bottom Overlay "2" at 3059.89,3705.33 h40; Bottom Overlay "99" at 1475.89,4021.81 h40; Bottom Overlay "100" at 1478.89,3686.81 h40; Bottom Overlay "JX3" at 3171.89,3801.81 h60 r270